# Altium PCB ASP-1-v0.11.PcbDoc (part 2 of 3)
Units mm, origin at the board's own origin, x right, y up, seen from the top; angles counter-clockwise.
Board outline 240 x 170 mm, 2 copper layers (Top Layer, Bottom Layer); 307 components, 287 nets, 1387 pads, 381 vias.
Unrouted connection lines stored in the file: 2.
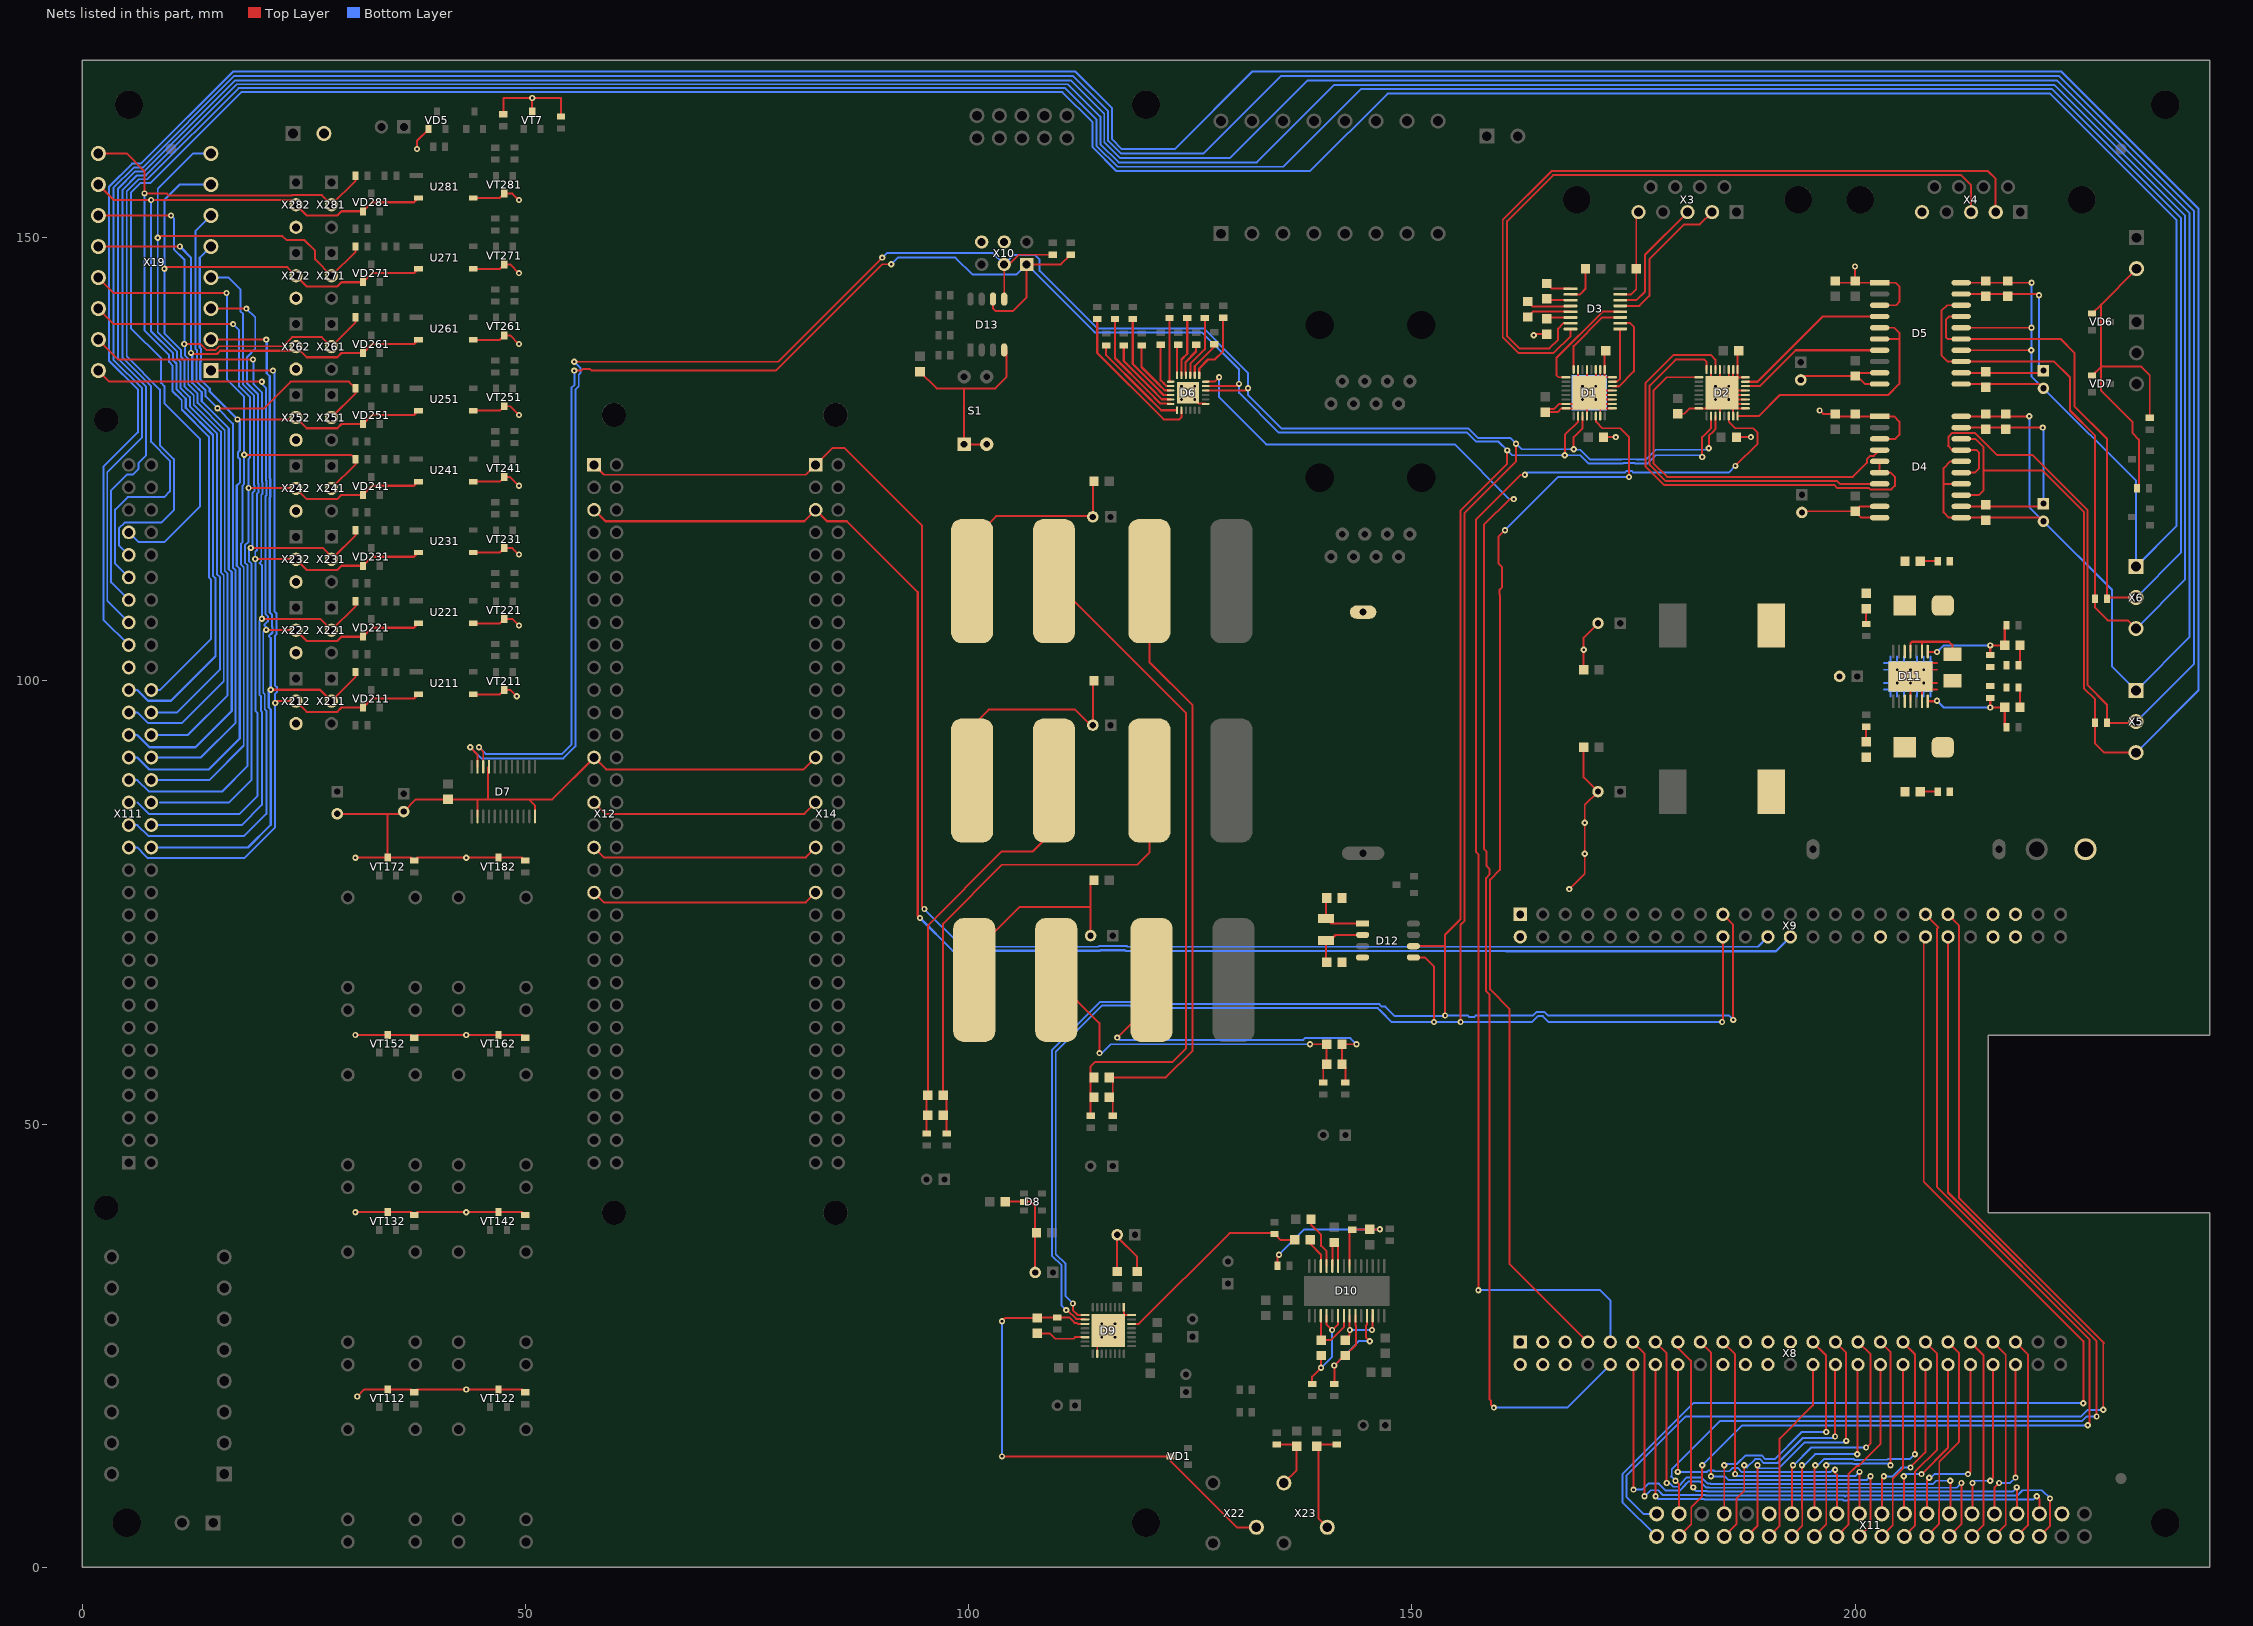
[diagram p2: the nets of this part, all layers, seen from the top]

## Via types
v1: diameter 0.7, hole 0.3, Top Layer to Bottom Layer, tented both sides, 381 vias

## Nets (pads, with @x,y where several pads share a name; then routed paths per layer and width w, separated by ;. In a path a pad name is that pad's centre, name@x,y a point inside that pad or via, vN(x,y) a via of type N, cw(c..) or ccw(c..) an arc to the next point about the centre after c; other vN are vias at no path point) (continued)
GND: C3.2 C4.2 C5.2 C6.2 C7.2 C8.2 C9.2 C10.2 C11.1 C13.1 C22.2 C23.1 C24.1 C25.2 C26.1 C31.1 C49.1 C50.2 C54.2 C59.2 C60.1 C61.2 C62.2 C63.2 C64.1 C68.2 C69.1 C73.1 C74.1 C75.1 C76.1 C77.1 C78.1 C79.2 C80.2 C81.2 C82.2 C83.1 C87.2 C88.1 D1.7 D1.8 D1.12 D1.15 D1.17 D1.18 D1.19 D1.20 D1.21 D1.24 D1.25 D1.26 D1.27 D1.29 D1.31 D1.33 D2.8 D2.12 D2.15 D2.17 D2.18 D2.19 D2.20 D2.21 D2.24 D2.25 D2.26 D2.27 D2.29 D2.31 D2.33 D3.15 D4.1 D4.3 D4.9 D4.10 D5.1 D5.3 D5.9 D5.10 D6.19 D6.25 D7.2 D7.12 D7.21 D8.2 D9.1 D9.18 D9.32 D9.33 D11.4 D11.6 D11.15 D12.4 D13.4 G1.- L2.1 L10.1 L14.1 pad.0@206.25,100.5 pad.4 R8.2 R9.2 R12.1 R14.1 R16.1 R17.1 R19.1 R21.1 R41.1 R43.1 R113.1 R123.1 R133.1 R143.1 R153.1 R163.1 R173.1 R183.1 S1.1 S1.3 U211.3 U221.3 U231.3 U241.3 U251.3 U261.3 U271.3 U281.3 VD2.1 VD3.1 VD5.1 VD6.1 VD7.1 VT7.3 VT112.3 VT122.3 VT132.3 VT142.3 VT152.3 VT162.3 VT172.3 VT182.3 VT211.3 VT221.3 VT231.3 VT241.3 VT251.3 VT261.3 VT271.3 VT281.3 X3.5 X4.5 X7.2 X8.1 X8.2 X9.1 X9.2 X9.43 X9.44 X9.45 X9.46 X10.4 X10.6 X11.3 X11.29 X11.36 X12.A14 X12.A16 X12.A18 X12.A20 X14.A14 X14.A16 X14.A18 X14.A20 X20.2 X25.2 X111.A23 X212.3 X222.3 X232.3 X242.3 X252.3 X262.3 X272.3 X282.3 | length 668.3
  Top Layer w0.22: C79.2@28.75,85 34.5,85 ; v1(30.8,40.05) VT132.3@34.44,40.05 37.115,40.05 R133.1@37.44,39.725 37.765,40.05 v1(43.3,40.05) VT142.3@46.94,40.05 49.615,40.05 R143.1@49.94,39.725 ; v1(30.8,60.05) VT152.3@34.44,60.05 37.115,60.05 R153.1@37.44,59.725 37.765,60.05 v1(43.3,60.05) VT162.3@46.94,60.05 49.615,60.05 R163.1@49.94,59.725 ; v1(30.8,80.05) VT172.3@34.44,80.05 ; v1(31,19.25) 31.8,20.05 VT112.3@34.44,20.05 37.115,20.05 R113.1@37.44,19.725 37.765,20.05 v1(43.3,20.05) VT122.3@46.94,20.05 49.615,20.05 R123.1@49.94,19.725 ; v1(37.75,160) 37.75,160.95 VD5.1@39.05,162.25 ; U211.3@44.1,98.48 47.1,98.48 VT211.3@47.6,98.98 48.27,98.98 v1(49,98.25) ; U221.3@44.1,106.48 47.1,106.48 VT221.3@47.6,106.98 48.52,106.98 v1(49.25,106.25) ; U231.3@44.1,114.48 47.1,114.48 VT231.3@47.6,114.98 48.52,114.98 v1(49.25,114.25) ; U241.3@44.1,122.48 47.1,122.48 VT241.3@47.6,122.98 48.27,122.98 v1(49.25,122) ; U251.3@44.1,130.48 47.1,130.48 VT251.3@47.6,130.98 48.27,130.98 v1(49.25,130) ; U261.3@44.1,138.48 47.1,138.48 VT261.3@47.6,138.98 48.27,138.98 v1(49.25,138) ; U271.3@44.1,146.48 47.1,146.48 VT271.3@47.6,146.98 48.27,146.98 v1(49.25,146) ; U281.3@44.1,154.48 47.1,154.48 VT281.3@47.6,154.98 48.52,154.98 v1(49.25,154.25) ; D7.2@44.575,84.7 44.575,86.56 44.5,86.635 ; D7.21@45.875,90.3 45.75,90.175 45.75,86.635 ; R43.1@47.5,163.925 47.5,165.75 v1(50.75,165.75) ; R183.1@49.94,79.725 49.615,80.05 VT182.3@46.94,80.05 v1(43.3,80.05) 37.765,80.05 R173.1@37.44,79.725 37.115,80.05 VT172.3@34.44,80.05 ; VT7.3@50.75,164.25 v1(50.75,165.75) ; D7.12@51.075,84.7 51.075,85.925 50.365,86.635 ; R41.1@54,163.675 54,165.75 v1(50.75,165.75) ; X12.A20@57.73,76.11 58.84,75 81.62,75 X14.A20@82.73,76.11 ; X12.A18@57.73,81.19 58.835,80.085 81.625,80.085 X14.A18@82.73,81.19 ; X12.A16@57.73,86.27 59,85 81.46,85 X14.A16@82.73,86.27 ; X14.A14@82.73,91.35 81.38,90 59.08,90 X12.A14@57.73,91.35 53.015,86.635 50.365,86.635 ; C62.2@94.5,134.885 96.385,133 99.5,133 ; L2.1@100.375,88.75 100.375,94.875 102.25,96.75 112,96.75 113.75,95 C63.2@114,95 114,99.865 C64.1@114.135,100 ; L14.1@100.375,111.25 100.375,115.875 103.08,118.58 C82.2@114,118.58 ; L10.1@100.625,66.25 100.625,69.375 105.75,74.5 113.75,74.5 ; S1.3@102.02,126.69 S1.1@99.48,126.69 99.48,132.98 99.5,133 ; D13.4@104.005,137.33 104.25,137.33 104.25,134.25 103,133 99.5,133 ; C24.1@104.115,41.25 106.95,41.25 107.47,40.73 107.47,37.915 C31.1@107.635,37.75 107.5,37.615 C22.2@107.5,33.25 ; C68.2@113.75,71.25 113.75,74.5 ; C82.2@114,118.5 C82.2@114,118.58 ; C69.1@114.135,77.5 113.75,77.115 113.75,74.5 ; C83.1@114.135,122.5 114,122.365 C82.2@114,118.58 ; D9.18@114.5,24.075 114.5,25.45 D9.33@115.75,26.7 D9.33@117.5,28.45 ; C23.1@116.75,33.365 C25.2@116.75,37.25 ; C25.2@116.75,37.5 C25.2@116.75,37.25 ; D9.1@117.5,29.325 D9.33@117.5,28.45 ; D9.32@118.375,28.45 D9.33@117.5,28.45 ; C26.1@119,33.365 119,35 C25.2@116.75,37.25 ; D6.25@124.75,132.5 v1(125.5,131.75) 125.97,131.28 126.725,131.28 D6.19@126.725,131.25 ; v1(163.75,139) 163.86,139.11 C13.1@165.2,139.11 ; v1(167.75,76.5) 169.5,78.25 v1(169.5,80.5) v1(169.5,84) 169.5,86 C50.2@171,87.5 169.385,89.115 C49.1@169.385,92.5 ; D1.31@168.75,135.125 168.75,133.75 D1.33@169.75,132.75 ; C60.1@169.385,101.25 v1(169.385,103.5) 169.385,104.885 C59.2@171,106.5 ; D1.12@169.75,129.875 169.75,130.675 169.675,130.75 D1.8@167.375,130.75 166.875,130.75 166.435,130.31 C73.1@165.05,130.31 165.415,130.675 166.05,130.675 166.625,131.25 D1.7@167.375,131.25 168.75,131.25 v1(169.25,131.75) D1.33@170,132.5 ; D1.29@169.75,135.125 D1.33@169.75,132.75 ; D1.27@170.75,135.125 v1(170.75,133.25) ; D1.15@171.25,129.875 D1.33@171.25,130.675 ; D1.33@171.25,131.25 D1.33@171.25,130.675 ; D1.26@171.25,135.125 D1.33@171.25,133.75 ; C75.1@171.615,127.5 v1(173,127.5) ; C77.1@171.915,137.425 171.75,137.26 D1.25@171.75,135.125 D1.33@171.75,134.25 ; D1.17@172.625,130.75 171.325,130.75 D1.33@171.25,130.675 ; D1.18@172.625,131.25 171.25,131.25 v1(170.75,131.75) ; D1.19@172.625,131.75 v1(170.75,131.75) ; D1.20@172.625,132.25 D1.33@170.25,132.25 ; D1.21@172.625,132.75 D1.33@170.25,132.75 ; D1.24@172.625,134.25 D1.33@171.75,134.25 ; D3.15@173.5,143.6 174.725,143.6 175.315,144.19 C11.1@175.315,146.475 175.315,152.635 X3.5@175.56,152.88 ; C74.1@180,130.135 180.75,130.135 181.365,130.75 D2.8@182.375,130.75 184.5,130.75 D2.33@184.75,131 ; D2.31@183.75,135.125 183.75,133.75 D2.33@184.75,132.75 ; D2.12@184.75,129.875 D2.33@184.75,131 ; D2.29@184.75,135.125 D2.33@184.75,132.75 ; D2.27@185.75,135.125 v1(185.75,133.25) ; D2.15@186.25,129.875 D2.33@186.25,131.25 ; D2.26@186.25,135.125 D2.33@186.25,133.75 ; C76.1@186.615,127.5 v1(188.25,127.5) ; C78.1@186.865,137.25 186.75,137.135 D2.25@186.75,135.125 186.75,134.25 D2.33@186.705,134.205 ; D2.17@187.625,130.75 186.75,130.75 D2.33@186.25,131.25 ; D2.18@187.625,131.25 D2.33@186.25,131.25 ; D2.19@187.625,131.75 v1(185.75,131.75) ; D2.20@187.625,132.25 186.75,132.25 D2.33@186.25,132.75 ; D2.21@187.625,132.75 D2.33@186.25,132.75 ; D2.24@187.625,134.25 187.58,134.205 D2.33@186.705,134.205 ; C7.2@193.875,133.952 194.308,134.385 C10.2@200,134.385 C10.2@200.115,134.5 ; C3.2@194,119 194.135,119.135 C6.2@200,119.135 ; v1(196,130.5) 196.385,130.115 C5.2@197.75,130.115 198.023,129.842 D4.1@202.775,129.842 204.408,129.842 205,129.25 205,127.75 204.552,127.302 D4.3@202.775,127.302 ; C9.2@197.75,145.115 197.948,144.917 D5.1@202.775,144.917 204.583,144.917 205,144.5 205,142.75 204.627,142.377 D5.3@202.775,142.377 ; C8.2@200,145.115 v1(200,146.75) ; D4.10@202.775,118.412 200.723,118.412 C6.2@200,119.135 ; D4.9@202.775,119.682 200.547,119.682 C6.2@200,119.135 ; D5.10@202.775,133.487 201.128,133.487 C10.2@200.115,134.5 ; D5.9@202.775,134.757 200.372,134.757 C10.2@200.115,134.5 ; D11.4@206.25,97.7 D11.15@206.25,100.5 ; D11.15@207,99.75 209.25,99.75 ; D11.15@207,101.25 v1(207.75,101.25) 209.25,101.25 ; D11.6@207.55,97.7 D11.15@207.55,99.2 ; D11.15@207.75,99 209.25,99 ; D11.15@207.75,102 209.25,102 ; VD7.1@226.75,134.45 227.75,135.45 ; VD6.1@226.75,141.45 227.75,142.45 ; X7.2@231.75,146.5 231.75,146.45 227.75,142.45 ; R8.2@231.825,121.75 232.03,121.955 232.03,127.22 231.31,127.94 231.31,129.19 227.75,132.75 227.75,135.45 ; R9.2@233.25,129.675 233.25,134.5 232.3,135.45 227.75,135.45 ; VT172.3@34.44,80.05 34.44,84.94 34.5,85 ; 34.5,85 36,85 C87.2@36.25,85.25 37.635,86.635 C88.1@41.25,86.635 44.5,86.635 ; 44.5,86.635 45.75,86.635 ; 45.75,86.635 50.365,86.635 ; D1.33@169.75,132.75 D1.33@170,132.5 ; D1.33@170,132.5 D1.33@170.25,132.75 ; D1.33@170,132.5 D1.33@170.25,132.25 ; D1.33@170.25,132.25 v1(170.75,131.75) ; D1.33@170.25,132.75 v1(170.75,133.25) ; v1(170.75,133.25) D1.33@171.25,133.75 ; D1.33@171.25,133.75 D1.33@171.75,134.25 ; D2.33@184.75,131 185,131.25 D2.33@185,132.5 ; D2.33@184.75,132.75 D2.33@185,132.5 ; D2.33@185,132.5 v1(185.75,131.75) ; v1(185.75,131.75) D2.33@186.25,131.25 ; v1(185.75,133.25) D2.33@186.25,132.75 ; v1(185.75,133.25) D2.33@186.25,133.75 ; D2.33@186.25,133.75 D2.33@186.705,134.205 ; 227.75,135.45 227.75,142.45
  Bottom Layer w0.22: v1@30.75,40 v1(30.8,40.05) ; v1@30.75,60 v1(30.8,60.05) ; v1@30.75,80 v1(30.8,80.05) ; v1@43.25,20 v1(43.3,20.05) ; v1@43.25,40 v1(43.3,40.05) ; v1@43.25,60 v1(43.3,60.05) ; v1@43.25,80 v1(43.3,80.05) ; 203.25,99 pad.0@204,99 ; 203.25,99.75 v1(204.75,99.75) ; 203.25,101.25 v1(204.75,101.25) pad.0@205.5,101.25 ; 203.25,102 pad.0@204.75,102 ; 204,98.25 pad.0@204,99 ; 204,102.25 204,102.75 ; 204.75,98.25 pad.0@204.75,99 ; 204.75,102.75 pad.0@204.75,102 ; 205.5,98.25 pad.0@205.5,99.75 ; 205.5,102.75 205.5,102 v1(206.25,101.25) ; 207,98.25 pad.0@207,99.75 ; 207,102.75 pad.0@207,101.25 ; 207.75,98.25 207.75,99 pad.0@207,99.75 ; 207.75,102.75 207.75,102 pad.0@207,101.25 ; 208.5,98.25 208.5,99 pad.0@207,100.5 ; 208.5,102.75 208.5,102 pad.0@207,100.5 ; pad.0@204,99 pad.0@204.75,99 ; pad.0@204,99 v1(204.75,99.75) ; pad.0@204.75,99 pad.0@205.5,99.75 ; v1(204.75,99.75) pad.0@205.5,99.75 ; v1(204.75,99.75) 205.5,100.5 pad.0@206.25,100.5 ; pad.0@204.75,102 pad.0@205.5,101.25 ; pad.0@205.5,99.75 pad.0@206.25,100.5 ; pad.0@205.5,101.25 pad.0@206.25,100.5 ; pad.0@206.25,100.5 pad.0@207,99.75 ; pad.0@206.25,100.5 pad.0@207,100.5 ; pad.0@206.25,100.5 pad.0@207,101.25
  other v1: 115,25.95 116.5,25.95 115,27.45 116.5,27.45 206.25,99.75 207.75,99.75 124,131.75 184.25,131.75 124,133.25 125.5,133.25 169.25,133.25 184.25,133.25
GNDA_ADC: X9.34
GVDD: C36.2 D10.9 D10.10 | length 5.6
  Top Layer w0.22: D10.10@141,34 D10.10@141.025,33.975 141.025,36.41 C36.2@141.25,36.635 141.675,36.21 D10.9@141.675,33.975
I2C1_SCL: X9.24 X12.A1 X14.A1 | length 183.2
  Top Layer w0.22: X12.A1@57.73,124.37 58.85,123.25 81.61,123.25 X14.A1@82.73,124.37 84.61,126.25 86,126.25 94.75,117.5 94.75,74.5 v1(95,74.25)
  Bottom Layer w0.22: v1(95,74.25) 99.25,70 114.598,70 114.667,70.07 117.832,70.07 117.902,70 189.049,70 X9.24@190.165,71.116
I2C1_SDA: X9.26 X12.A3 X14.A3 | length 178.8
  Top Layer w0.25: X12.A3@57.73,119.29 59.02,118 81.44,118 X14.A3@82.73,119.29 84.02,118 86.25,118 94.25,110 94.25,73.5 v1(94.5,73.25)
  Bottom Layer w0.25: v1(94.5,73.25) 98.205,69.545 114.786,69.545 114.856,69.615 117.644,69.615 117.744,69.515 160.603,69.515 160.617,69.5 191.089,69.5 X9.26@192.705,71.116
I2C2_SCL: D1.10 D2.10 D6.23 D7.22 D9.10 D12.6 D13.6 R36.1 X9.19 X10.1 | length 425.6
  Top Layer w0.22: v1(44.75,92.5) 45.225,92.025 D7.22@45.225,90.3 ; v1(55.5,135) 56.288,135 56.468,135.18 57.282,135.18 57.461,135 78.25,135 90.25,147 v1(91.25,147) ; D13.6@102.735,143.07 102.735,142.015 103,141.75 105,141.75 106.54,143.29 X10.1@106.54,146.98 110.405,146.98 R36.1@111.5,148.075 ; v1(111,29) 111.128,29 112.118,28.01 112.547,28.01 112.562,27.995 113.08,27.995 D9.10@113.125,27.95 ; D6.23@126.725,133.25 130.25,133.25 v1(130.5,133.5) ; D12.6@150.17,70.065 153.685,70.065 153.75,70 ; v1(153.75,62.25) 153.75,70 ; v1(160.75,126) 160.75,124.5 155.49,119.24 155.49,79.942 155.5,79.932 155.5,73.13 153.75,71.38 153.75,70 ; v1(167.25,125.45) 167.25,127.75 168.75,129.25 D1.10@168.75,129.875 ; v1(182.75,125.25) 182.75,127.5 183.59,128.34 183.59,128.359 183.75,128.519 D2.10@183.75,129.875 ; X9.19@185.085,73.656 186.25,72.491 v1(186.25,61.75)
  Bottom Layer w0.22: v1(44.75,92.5) 45.5,91.75 54.133,91.75 55.18,92.797 55.18,133.047 55.5,133.367 v1(55.5,135) ; v1(91.25,147) 92,147.75 98.5,147.75 100.43,145.82 105.38,145.82 X10.1@106.54,146.98 114.2,139.32 126.308,139.32 130.5,135.128 v1(130.5,133.5) 130.5,132.5 134.99,128.01 156.235,128.01 157.265,126.98 159.77,126.98 v1(160.75,126) 161.3,125.45 v1(167.25,125.45) 168.985,125.45 169.895,124.54 173.834,124.54 173.854,124.56 175.146,124.56 175.166,124.54 176.605,124.54 177.515,125.45 182.55,125.45 v1(182.75,125.25) ; v1(111,29) 110.48,29.52 110.48,34.037 109.38,35.137 109.38,58.343 114.827,63.79 118.423,63.79 118.693,63.52 146.342,63.52 146.612,63.25 147,63.25 148.07,62.18 153.68,62.18 v1(153.75,62.25) 156.288,62.25 156.468,62.07 157.032,62.07 157.212,62.25 163.666,62.25 164.036,62.62 164.964,62.62 165.334,62.25 185.75,62.25 v1(186.25,61.75)
I2C2_SDA: D1.11 D2.11 D6.22 D7.23 D9.9 D12.5 D13.5 R35.1 X9.20 X10.3 | length 425.3
  Top Layer w0.22: v1(43.75,92.5) 44.575,91.675 D7.23@44.575,90.3 ; v1(55.5,136) 78.5,136 v1(90.25,147.75) ; D13.5@104.005,143.07 104.005,146.975 X10.3@104,146.98 104.573,146.98 105.668,148.075 R35.1@109.5,148.075 ; v1(111.75,29.75) 111.75,29 112.3,28.45 D9.9@113.125,28.45 ; D6.22@126.725,132.75 131.25,132.75 v1(131.5,133) ; D12.5@150.17,68.795 151.455,68.795 152.5,67.75 v1(152.5,61.5) ; v1(155.5,61.5) 155.5,72.507 155.94,72.947 155.94,80.114 155.93,80.125 155.93,118.93 161.75,124.75 v1(161.75,126.75) ; v1(168.25,126.13) 168.25,127.5 169.25,128.5 D1.11@169.25,129.875 ; v1(183.5,126.25) 183.5,127.628 184.03,128.158 184.03,128.177 184.25,128.397 D2.11@184.25,129.875 ; v1(185,61.5) 185.085,61.585 X9.20@185.085,71.116
  Bottom Layer w0.22: v1(43.75,92.5) 45,91.25 54.255,91.25 55.62,92.615 55.62,132.865 56,133.245 56,134.538 56.18,134.718 56.18,135.32 v1(55.5,136) ; v1(90.25,147.75) 90.75,148.25 102.73,148.25 X10.3@104,146.98 105.08,148.06 107.427,148.06 108,147.487 108,146.25 114.49,139.76 126.49,139.76 129.5,136.75 131.5,134.75 v1(131.5,133) 131.5,132.288 135.338,128.45 156.417,128.45 157.447,127.42 161.08,127.42 v1(161.75,126.75) 162.37,126.13 v1(168.25,126.13) 168.31,126.07 168.988,126.07 170.078,124.98 173.652,124.98 173.672,125 175.328,125 175.348,124.98 176.422,124.98 177.512,126.07 183.32,126.07 v1(183.5,126.25) ; v1(111.75,29.75) 110.92,30.58 110.92,34.219 109.82,35.319 109.82,58.161 115.009,63.35 118.241,63.35 118.511,63.08 146.16,63.08 146.49,62.75 146.5,62.75 147.75,61.5 v1(152.5,61.5) v1(155.5,61.5) 163.538,61.5 164.218,62.18 164.782,62.18 165.462,61.5 v1(185,61.5)
IN_N1: U211.2 VD211.1 X19.1 X111.A15 X212.2 | length 95.1
  Top Layer w0.22: X19.1@14.5,135 v1(21.5,135) ; v1(21.75,97.5) 21.75,97.67 21.71,97.71 X212.2@24.1,97.71
  Top Layer w0.25: X212.2@24.1,97.71 25.31,96.5 28.75,96.5 29.23,96.98 VD211.1@31.65,96.98 32.67,98 37.42,98 U211.2@37.9,98.48
  Bottom Layer w0.22: X111.A15@5.23,81.19 6.23,81.19 6.665,80.755 6.665,80.732 7.397,80 18.25,80 21.75,83.5 v1(21.75,97.5) 21.75,98.538 21.93,98.718 21.93,99.281 21.705,99.506 21.705,105.078 21.9,105.273 21.9,107.598 21.66,107.838 21.66,134.84 v1(21.5,135)
IN_N2: U221.2 VD221.1 X19.2 X111.A16 X222.2 | length 104.2
  Top Layer w0.22: X19.2@1.8,135 3.05,133.75 v1(20.25,133.75) ; v1(20.75,105.75) 24.06,105.75 X222.2@24.1,105.71
  Top Layer w0.25: X222.2@24.1,105.71 25.31,104.5 28.75,104.5 29.23,104.98 VD221.1@31.65,104.98 32.67,106 37.42,106 U221.2@37.9,106.48
  Bottom Layer w0.22: X111.A16@5.23,83.73 6.207,83.73 7.437,82.5 18.25,82.5 20.75,85 20.75,96.624 20.57,96.804 20.57,98.468 20.405,98.633 20.405,105.565 20.59,105.75 v1(20.75,105.75) 20.75,106.07 20.532,106.288 20.532,106.32 20.93,106.718 20.93,107.281 20.68,107.531 20.68,120.852 20.75,120.922 20.75,122.578 20.69,122.638 20.69,133.06 20.25,133.5 v1(20.25,133.75)
IN_N3: U231.2 VD231.1 X19.5 X111.A17 X232.2 | length 95.2
  Top Layer w0.22: X19.5@14.5,142 v1(18.5,142) ; v1(19.5,113.75) 24.06,113.75 X232.2@24.1,113.71
  Top Layer w0.25: X232.2@24.1,113.71 25.31,112.5 28.75,112.5 29.23,112.98 VD231.1@31.65,112.98 32.67,114 37.42,114 U231.2@37.9,114.48
  Bottom Layer w0.22: 6.23,86.27 7.5,85 17.75,85 19.75,87 19.75,96.379 19.525,96.604 19.525,113.725 v1(19.5,113.75) 19.5,114.538 19.68,114.718 19.68,121.096 19.87,121.286 19.87,122.214 19.81,122.274 19.81,132.356 18.57,133.596 18.57,136.532 19.5,137.462 19.5,141 v1(18.5,142)
IN_N4: U241.2 VD241.1 X19.6 X111.A18 X242.2 | length 102.6
  Top Layer w0.22: X19.6@1.8,142 3.55,140.25 v1(17,140.25) ; v1(18.75,121.75) 24.06,121.75 X242.2@24.1,121.71
  Top Layer w0.25: X242.2@24.1,121.71 25.31,120.5 28.75,120.5 29.23,120.98 VD241.1@31.65,120.98 32.67,122 37.42,122 U241.2@37.9,122.48
  Bottom Layer w0.22: X111.A18@5.23,88.81 6.207,88.81 7.517,87.5 15.75,87.5 18.645,90.395 18.645,113.021 18.32,113.346 18.32,115.282 18.75,115.712 v1(18.75,121.75) 18.75,125.038 18.93,125.218 18.93,131.992 17.69,133.232 17.69,139.56 v1(17,140.25)
IN_N5: U251.2 VD251.1 X19.9 X111.A19 X252.2 | length 94.8
  Top Layer w0.25: v1(17.5,129.5) 23.81,129.5 24.06,129.75 X252.2@24.1,129.71 25.31,128.5 28.75,128.5 29.23,128.98 VD251.1@31.65,128.98 32.67,130 37.42,130 U251.2@37.9,130.48
  Bottom Layer w0.25: X111.A19@5.23,91.35 6.186,91.35 7.536,90 14.25,90 17.75,93.5 17.75,112.65 17.425,112.975 17.425,122.03 17.795,122.4 17.795,123.562 17.795,124.972 17.555,125.212 17.555,125.788 17.75,125.983 17.75,129.25 v1(17.5,129.5) 14.365,132.635 14.365,132.947 13.507,133.805 13.305,134.007 13.305,135.993 13.385,136.073 13.385,137.47 13.25,137.605 13.25,147.75 X19.9@14.5,149
IN_N6: U261.2 VD261.1 X19.10 X111.A20 X262.2 | length 105.3
  Top Layer w0.25: X19.10@1.8,149 v1(11,149) ; v1(12.25,137) 12.385,136.865 15.177,136.865 15.562,137.25 23.64,137.25 X262.2@24.1,137.71 25.31,136.5 28.75,136.5 29.23,136.98 VD261.1@31.65,136.98 32.67,138 37.42,138 U261.2@37.9,138.48
  Bottom Layer w0.25: X111.A20@5.23,93.89 6.186,93.89 7.576,92.5 12.75,92.5 16.84,96.59 16.84,112.273 16.515,112.598 16.515,128.485 13.455,131.545 13.455,131.902 13.455,132.57 13.13,132.895 12.395,133.63 12.395,136.37 12.395,136.855 v1(12.25,137) 12.25,147.75 v1(11,149)
IN_N7: U271.2 VD271.1 X19.13 X111.A21 X272.2 | length 106.6
  Top Layer w0.22: v1(9.25,146.5) 9.43,146.68 23.13,146.68 X272.2@24.1,145.71
  Top Layer w0.25: X272.2@24.1,145.71 25.31,144.5 28.75,144.5 29.23,144.98 VD271.1@31.65,144.98 32.67,146 37.42,146 U271.2@37.9,146.48
  Bottom Layer w0.22: X111.A21@5.23,96.43 6.207,96.43 7.387,95.25 11.25,95.25 15.945,99.945 15.945,111.903 15.62,112.228 15.62,128.114 12.56,131.174 12.56,132.199 11.5,133.259 11.5,136.166 11.13,136.536 11.13,137.316 9.25,139.196 v1(9.25,146.5) 9.25,154.25 11,156 X19.13@14.5,156
IN_N8: U281.2 VD281.1 X19.14 X111.A22 X282.2 | length 105.2
  Top Layer w0.25: X19.14@1.8,156 3.55,154.25 v1(7.75,154.25) 23.56,154.25 X282.2@24.1,153.71 25.31,152.5 28.75,152.5 29.23,152.98 VD281.1@31.65,152.98 32.67,154 37.42,154 U281.2@37.9,154.48
  Bottom Layer w0.25: X111.A22@5.23,98.97 6.186,98.97 7.406,97.75 10,97.75 15,102.75 15,111.582 14.725,111.857 14.725,127.744 11.665,130.804 11.665,131.829 10.605,132.889 10.605,135.795 10.235,136.165 10.235,136.945 7.75,139.43 v1(7.75,154.25)
IN_P1: R212.2 X19.3 X111.B15 X211.2 | length 88
  Top Layer w0.22: X211.2@28.25,97.86 30.825,100.435 R212.2@30.825,101
  Top Layer w0.25: X19.3@14.5,138.5 v1(20.75,138.5) ; v1(21.25,99) 26.81,99 X211.2@28.1,97.71
  Bottom Layer w0.25: X111.B15@7.77,81.19 18.69,81.19 21.25,83.75 21.25,96.767 21.025,96.992 21.025,98.975 21.05,99 v1(21.25,99) 21.25,104.805 21.038,105.017 21.038,105.055 21.445,105.462 21.445,106.038 21.385,106.098 21.385,107.47 21.135,107.72 21.135,120.663 21.205,120.733 21.205,122.767 21.145,122.827 21.145,134.372 20.805,134.712 20.805,138.445 v1(20.75,138.5)
IN_P2: R222.2 X19.4 X111.B16 X221.2 | length 95.8
  Top Layer w0.22: X19.4@1.8,138.5 4.05,136.25 v1(19.25,136.25) ; v1(20.25,107) 26.81,107 X221.2@28.1,105.71 30.825,108.435 R222.2@30.825,109
  Bottom Layer w0.22: X111.B16@7.77,83.73 17.98,83.73 20.25,86 20.25,96.501 20.13,96.621 20.13,98.286 19.965,98.451 19.965,106.715 v1(20.25,107) 20.24,107.01 20.24,113.048 20,113.288 20.18,113.468 20.18,120.974 20.31,121.104 20.31,122.396 20.25,122.456 20.25,132.538 19.32,133.468 19.32,136.18 v1(19.25,136.25)
IN_P3: R232.2 X19.7 X111.B17 X231.2 | length 85.8